# KiCad board IOT-Mess-Sens-Panelized.kicad_pcb (continued)
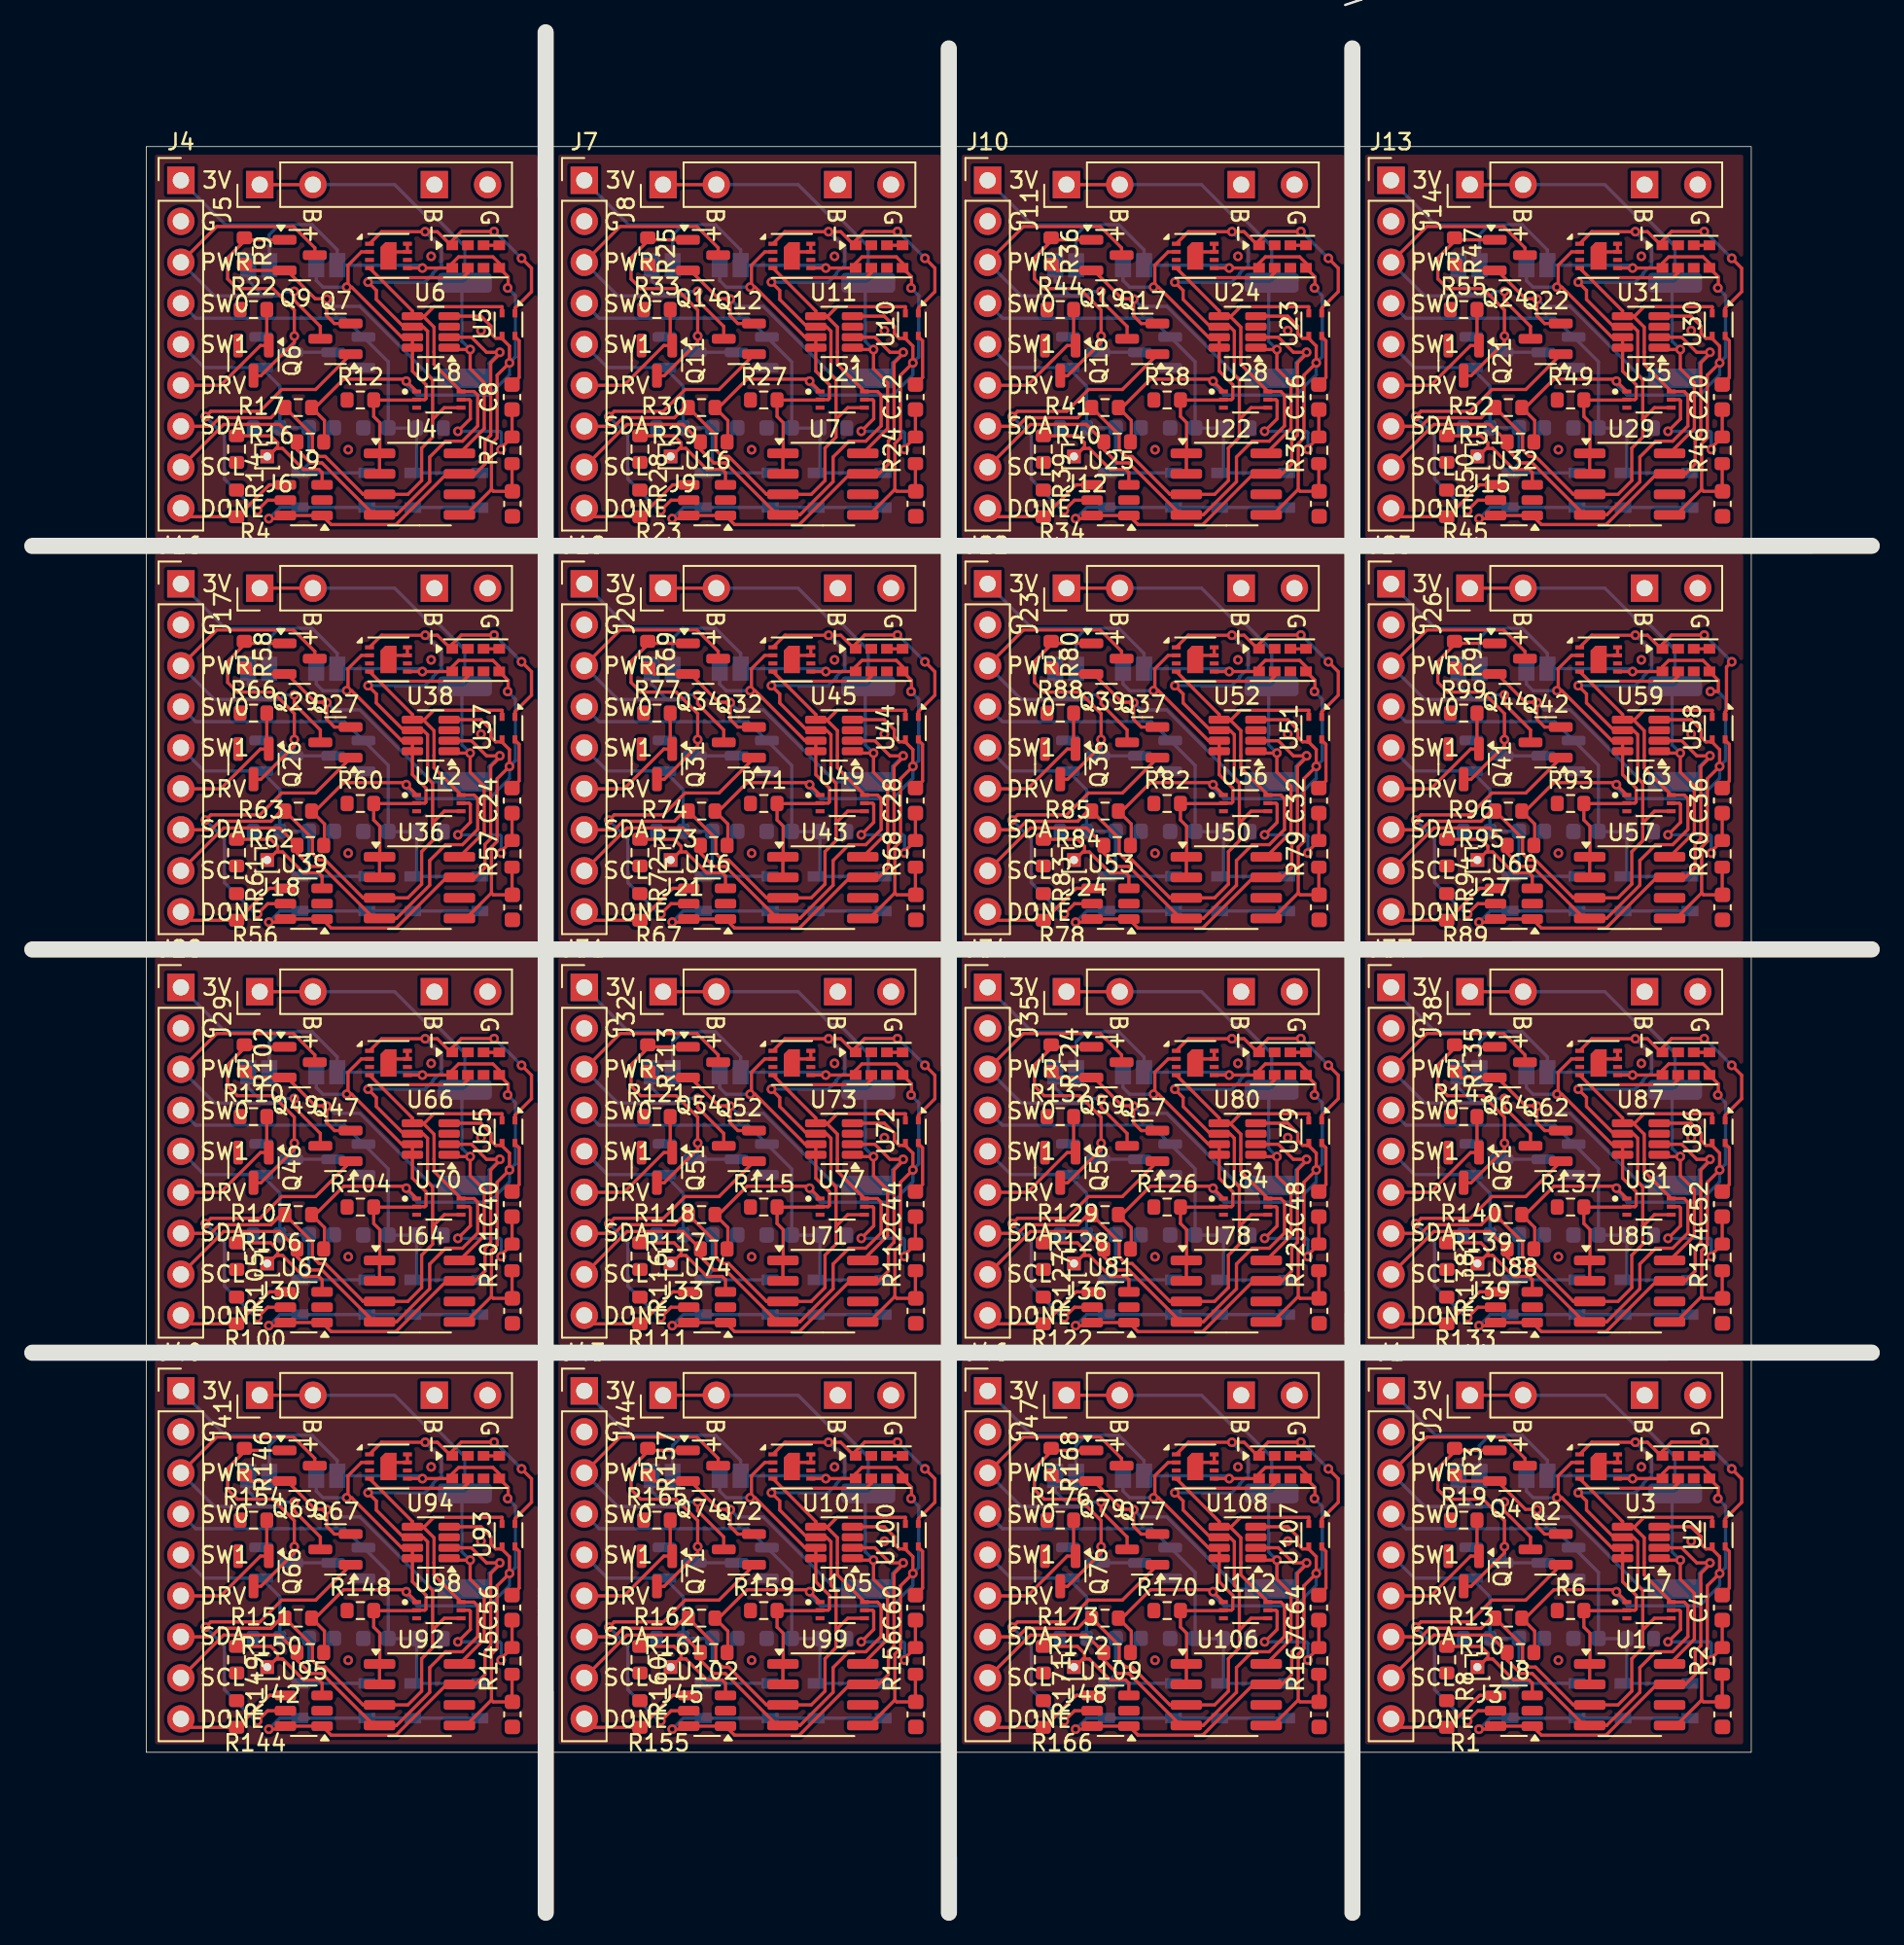
[diagram p0: board, top side]
## Routing (per net, layer and track width the routed paths; a pad name or vN(x,y) marks a point on that pad's centre or on a via; arc(x,y) is an arc through that point) (continued)
  Bottom w0.2: v1(28.62,54.16) 28.67,54.16 v1(30.32,52.5) ; v1(74.35,29.15) 75.36,28.14 75.36,27.04 75.21,26.9 75.15,26.9 74.83,26.58 74.83,26.52 74.34,26.02 v1(70.81,26.02) ; v1(20.81,76.02) 24.34,76.02 24.83,76.52 24.83,76.58 25.15,76.9 25.21,76.9 25.36,77.04 25.36,78.14 v1(24.35,79.15) ; v1(53.62,29.16) 53.67,29.16 v1(55.32,27.5) ; v1(53.62,54.16) 53.67,54.16 v1(55.32,52.5) ; v1(70.81,101.02) 74.34,101.02 74.83,101.52 74.83,101.58 75.15,101.9 75.21,101.9 75.36,102.04 75.36,103.14 v1(74.35,104.15) ; v1(103.62,104.16) 103.67,104.16 v1(105.32,102.5) ; v1(70.81,51.02) 74.34,51.02 74.83,51.52 74.83,51.58 75.15,51.9 75.21,51.9 75.36,52.04 75.36,53.14 v1(74.35,54.15) ; v1(103.62,79.16) 103.67,79.16 v1(105.32,77.5) ; v1(99.35,79.15) 100.36,78.14 100.36,77.04 100.21,76.9 100.15,76.9 99.83,76.58 99.83,76.52 99.34,76.02 v1(95.81,76.02) ; v1(78.62,79.16) 78.67,79.16 v1(80.32,77.5) ; v1(80.32,102.5) 78.67,104.16 v1(78.62,104.16) ; v1(105.32,52.5) 103.67,54.16 v1(103.62,54.16) ; v1(20.81,51.02) 24.34,51.02 24.83,51.52 24.83,51.58 25.15,51.9 25.21,51.9 25.36,52.04 25.36,53.14 v1(24.35,54.15) ; v1(105.32,27.5) 103.67,29.16 v1(103.62,29.16) ; v1(30.32,27.5) 28.67,29.16 v1(28.62,29.16) ; v1(49.35,79.15) 50.36,78.14 50.36,77.04 50.21,76.9 50.15,76.9 49.83,76.58 49.83,76.52 49.34,76.02 v1(45.81,76.02) ; v1(55.32,77.5) 53.67,79.16 v1(53.62,79.16) ; v1(49.35,104.15) 50.36,103.14 50.36,102.04 50.21,101.9 50.15,101.9 49.83,101.58 49.83,101.52 49.34,101.02 v1(45.81,101.02) ; v1(45.81,51.02) 49.34,51.02 49.83,51.52 49.83,51.58 50.15,51.9 50.21,51.9 50.36,52.04 50.36,53.14 v1(49.35,54.15) ; v1(49.35,29.15) 50.36,28.14 50.36,27.04 50.21,26.9 50.15,26.9 49.83,26.58 49.83,26.52 49.34,26.02 v1(45.81,26.02) ; v1(30.32,77.5) 28.67,79.16 v1(28.62,79.16) ; v1(53.62,104.16) 53.67,104.16 v1(55.32,102.5) ; v1(95.81,51.02) 99.34,51.02 99.83,51.52 99.83,51.58 100.15,51.9 100.21,51.9 100.36,52.04 100.36,53.14 v1(99.35,54.15) ; v1(95.81,101.02) 99.34,101.02 99.83,101.52 99.83,101.58 100.15,101.9 100.21,101.9 100.36,102.04 100.36,103.14 v1(99.35,104.15) ; v1(20.81,101.02) 24.34,101.02 24.83,101.52 24.83,101.58 25.15,101.9 25.21,101.9 25.36,102.04 25.36,103.14 v1(24.35,104.15) ; v1(95.81,26.02) 99.34,26.02 99.83,26.52 99.83,26.58 100.15,26.9 100.21,26.9 100.36,27.04 100.36,28.14 v1(99.35,29.15) ; v1(78.62,54.16) 78.67,54.16 v1(80.32,52.5) ; v1(20.81,26.02) 24.34,26.02 24.83,26.52 24.83,26.58 25.15,26.9 25.21,26.9 25.36,27.04 25.36,28.14 v1(24.35,29.15) ; v1(74.35,79.15) 75.36,78.14 75.36,77.04 75.21,76.9 75.15,76.9 74.83,76.58 74.83,76.52 74.34,76.02 v1(70.81,76.02) ; v1(80.32,27.5) 78.67,29.16 v1(78.62,29.16) ; v1(28.62,104.16) 28.67,104.16 v1(30.32,102.5)
Va: length 502.1
  Top w0.2: J20.1 J20.2 ; J5.1 J5.2 ; J26.1 J26.2 ; U11.1 50.95,96.84 v1(52.14,96.84) 52.14,95.66 53.01,94.79 53.01,91.95 U7.8 ; U73.1 50.95,46.84 v1(52.14,46.84) 52.14,45.66 53.01,44.79 53.01,41.95 U71.8 ; J47.1 J47.2 ; J41.1 J41.2 ; U108.1 75.95,21.84 v1(77.14,21.84) 77.14,20.66 78.01,19.79 78.01,16.95 U106.8 ; J11.1 J11.2 ; U38.1 25.95,71.84 v1(27.14,71.84) 27.14,70.66 28.01,69.79 28.01,66.95 U36.8 ; J23.1 J23.2 ; U87.1 100.95,46.84 v1(102.14,46.84) 102.14,45.66 103.01,44.79 103.01,41.95 U85.8 ; U24.1 75.95,96.84 v1(77.14,96.84) 77.14,95.66 78.01,94.79 78.01,91.95 U22.8 ; J38.1 J38.2 ; U101.1 50.95,21.84 v1(52.14,21.84) 52.14,20.66 53.01,19.79 53.01,16.95 U99.8 ; J44.1 J44.2 ; U52.1 75.95,71.84 v1(77.14,71.84) 77.14,70.66 78.01,69.79 78.01,66.95 U50.8 ; U45.1 50.95,71.84 v1(52.14,71.84) 52.14,70.66 53.01,69.79 53.01,66.95 U43.8 ; U94.1 25.95,21.84 v1(27.14,21.84) 27.14,20.66 28.01,19.79 28.01,16.95 U92.8 ; J35.1 J35.2 ; U80.1 75.95,46.84 v1(77.14,46.84) 77.14,45.66 78.01,44.79 78.01,41.95 U78.8 ; U57.8 103.01,66.95 103.01,69.79 102.14,70.66 v1(102.14,71.84) 100.95,71.84 U59.1 ; U1.8 103.01,16.95 103.01,19.79 102.14,20.66 v1(102.14,21.84) 100.95,21.84 U3.1 ; J29.1 J29.2 ; U6.1 25.95,96.84 v1(27.14,96.84) 27.14,95.66 28.01,94.79 28.01,91.95 U4.8 ; J8.1 J8.2 ; J32.1 J32.2 ; J14.1 J14.2 ; U31.1 100.95,96.84 v1(102.14,96.84) 102.14,95.66 103.01,94.79 103.01,91.95 U29.8 ; J2.1 J2.2 ; U66.1 25.95,46.84 v1(27.14,46.84) 27.14,45.66 28.01,44.79 28.01,41.95 U64.8 ; J17.1 J17.2
  Bottom w0.2: v1(77.14,46.84) 76.63,47.36 76.63,50.8 76.98,51.15 78.37,51.15 ; J5.2 22.46,107.06 24.51,105.01 25.02,105.01 26.81,103.22 R20.2 ; 103.37,51.15 101.98,51.15 101.63,50.8 101.63,47.36 v1(102.14,46.84) ; R31.2 51.81,103.22 50.02,105.01 49.51,105.01 47.46,107.06 J8.2 ; R15.2 101.81,28.22 100.02,30.01 99.51,30.01 97.46,32.06 J2.2 ; R86.2 76.81,78.22 75.02,80.01 74.51,80.01 72.46,82.06 J23.2 ; J35.2 72.46,57.06 74.51,55.01 75.02,55.01 76.81,53.22 R130.2 ; R119.2 51.81,53.22 50.02,55.01 49.51,55.01 47.46,57.06 J32.2 ; 103.37,101.15 101.98,101.15 101.63,100.8 101.63,97.36 v1(102.14,96.84) ; J17.2 22.46,82.06 24.51,80.01 25.02,80.01 26.81,78.22 R64.2 ; 28.37,101.15 26.98,101.15 26.63,100.8 26.63,97.36 v1(27.14,96.84) ; J26.2 97.46,82.06 99.51,80.01 100.02,80.01 101.81,78.22 R97.2 ; v1(102.14,71.84) 101.63,72.36 101.63,75.8 101.98,76.15 103.37,76.15 ; v1(27.14,46.84) 26.63,47.36 26.63,50.8 26.98,51.15 28.37,51.15 ; J41.2 22.46,32.06 24.51,30.01 25.02,30.01 26.81,28.22 R152.2 ; J29.2 22.46,57.06 24.51,55.01 25.02,55.01 26.81,53.22 R108.2 ; 78.37,76.15 76.98,76.15 76.63,75.8 76.63,72.36 v1(77.14,71.84) ; R53.2 101.81,103.22 100.02,105.01 99.51,105.01 97.46,107.06 J14.2 ; 28.37,76.15 26.98,76.15 26.63,75.8 26.63,72.36 v1(27.14,71.84) ; v1(52.14,46.84) 51.63,47.36 51.63,50.8 51.98,51.15 53.37,51.15 ; R141.2 101.81,53.22 100.02,55.01 99.51,55.01 97.46,57.06 J38.2 ; v1(52.14,21.84) 51.63,22.36 51.63,25.8 51.98,26.15 53.37,26.15 ; R42.2 76.81,103.22 75.02,105.01 74.51,105.01 72.46,107.06 J11.2 ; v1(77.14,96.84) 76.63,97.36 76.63,100.8 76.98,101.15 78.37,101.15 ; 53.37,76.15 51.98,76.15 51.63,75.8 51.63,72.36 v1(52.14,71.84) ; v1(52.14,96.84) 51.63,97.36 51.63,100.8 51.98,101.15 53.37,101.15 ; J47.2 72.46,32.06 74.51,30.01 75.02,30.01 76.81,28.22 R174.2 ; v1(27.14,21.84) 26.63,22.36 26.63,25.8 26.98,26.15 28.37,26.15 ; R75.2 51.81,78.22 50.02,80.01 49.51,80.01 47.46,82.06 J20.2 ; J44.2 47.46,32.06 49.51,30.01 50.02,30.01 51.81,28.22 R163.2 ; v1(77.14,21.84) 76.63,22.36 76.63,25.8 76.98,26.15 78.37,26.15 ; 103.37,26.15 101.98,26.15 101.63,25.8 101.63,22.36 v1(102.14,21.84)
Vb: length 986.7
  Top w0.2: v1(39.66,11.37) 40.5,11.37 U102.6 U102.1 43.52,11 47.54,11 50.68,14.14 U99.7 52.45,14.14 53.06,14.75 53.06,16.19 53.41,16.54 53.41,21.02 53.97,21.58 v1(53.97,21.67) 53.16,21.67 52.22,22.61 U101.2 ; v1(89.66,11.37) 90.5,11.37 U8.6 U8.1 93.52,11 97.54,11 100.68,14.14 U1.7 102.45,14.14 103.06,14.75 103.06,16.19 103.41,16.54 103.41,21.02 103.97,21.58 v1(103.97,21.67) 103.16,21.67 102.22,22.61 U3.2 ; 65.81,76.72 67.54,74.99 68.24,74.99 v1(68.26,74.97) ; v1(39.66,86.37) 40.5,86.37 U16.6 U16.1 43.52,86 47.54,86 50.68,89.14 U7.7 52.45,89.14 53.06,89.75 53.06,91.19 53.41,91.54 53.41,96.02 53.97,96.58 v1(53.97,96.67) 53.16,96.67 52.22,97.61 U11.2 ; 93.25,99.96 93.25,98.93 93.73,98.46 Q22.2 ; 18.25,49.96 18.25,48.93 18.73,48.46 Q47.2 ; 65.81,26.72 67.54,24.99 68.24,24.99 v1(68.26,24.97) ; U6.2 27.22,97.61 28.16,96.67 v1(28.97,96.67) 28.97,96.58 28.41,96.02 28.41,91.54 28.06,91.19 28.06,89.75 27.45,89.14 U4.7 25.68,89.14 22.54,86 18.52,86 U9.1 U9.6 15.5,86.37 v1(14.66,86.37) ; 43.25,74.96 43.25,73.93 43.73,73.46 Q32.2 ; U52.2 77.22,72.61 78.16,71.67 v1(78.97,71.67) 78.97,71.58 78.41,71.02 78.41,66.54 78.06,66.19 78.06,64.75 77.45,64.14 U50.7 75.68,64.14 72.54,61 68.52,61 U53.1 U53.6 65.5,61.37 v1(64.66,61.37) ; Q59.2 63.52,51.74 R124.1 ; U59.2 102.22,72.61 103.16,71.67 v1(103.97,71.67) 103.97,71.58 103.41,71.02 103.41,66.54 103.06,66.19 103.06,64.75 102.45,64.14 U57.7 100.68,64.14 97.54,61 93.52,61 U60.1 U60.6 90.5,61.37 v1(89.66,61.37) ; v1(64.66,86.37) 65.5,86.37 U25.6 U25.1 68.52,86 72.54,86 75.68,89.14 U22.7 77.45,89.14 78.06,89.75 78.06,91.19 78.41,91.54 78.41,96.02 78.97,96.58 v1(78.97,96.67) 78.16,96.67 77.22,97.61 U24.2 ; Q57.2 68.73,48.46 68.25,48.93 68.25,49.96 ; 90.81,101.72 92.54,99.99 93.24,99.99 v1(93.26,99.97) ; Q2.2 93.73,23.46 93.25,23.93 93.25,24.96 ; Q54.2 38.52,51.74 R113.1 ; Q37.2 68.73,73.46 68.25,73.93 68.25,74.96 ; v1(39.66,36.37) 40.5,36.37 U74.6 U74.1 43.52,36 47.54,36 50.68,39.14 U71.7 52.45,39.14 53.06,39.75 53.06,41.19 53.41,41.54 53.41,46.02 53.97,46.58 v1(53.97,46.67) 53.16,46.67 52.22,47.61 U73.2 ; R58.1 13.52,76.74 Q29.2 ; v1(43.26,99.97) 43.24,99.99 42.54,99.99 40.81,101.72 ; v1(93.26,24.97) 93.24,24.99 92.54,24.99 90.81,26.72 ; R135.1 88.52,51.74 Q64.2 ; Q39.2 63.52,76.74 R80.1 ; R157.1 38.52,26.74 Q74.2 ; R168.1 63.52,26.74 Q79.2 ; v1(89.66,86.37) 90.5,86.37 U32.6 U32.1 93.52,86 97.54,86 100.68,89.14 U29.7 102.45,89.14 103.06,89.75 103.06,91.19 103.41,91.54 103.41,96.02 103.97,96.58 v1(103.97,96.67) 103.16,96.67 102.22,97.61 U31.2 ; v1(14.66,61.37) 15.5,61.37 U39.6 U39.1 18.52,61 22.54,61 25.68,64.14 U36.7 27.45,64.14 28.06,64.75 28.06,66.19 28.41,66.54 28.41,71.02 28.97,71.58 v1(28.97,71.67) 28.16,71.67 27.22,72.61 U38.2 ; R25.1 38.52,101.74 Q14.2 ; v1(18.26,99.97) 18.24,99.99 17.54,99.99 15.81,101.72 ; 15.81,51.72 17.54,49.99 18.24,49.99 v1(18.26,49.97) ; Q34.2 38.52,76.74 R69.1 ; R3.1 88.52,26.74 Q4.2 ; 65.81,51.72 67.54,49.99 68.24,49.99 v1(68.26,49.97) ; Q44.2 88.52,76.74 R91.1 ; Q69.2 13.52,26.74 R146.1 ; 40.81,76.72 42.54,74.99 43.24,74.99 v1(43.26,74.97) ; Q49.2 13.52,51.74 R102.1 ; 65.81,101.72 67.54,99.99 68.24,99.99 v1(68.26,99.97) ; Q72.2 43.73,23.46 43.25,23.93 43.25,24.96 ; 18.25,74.96 18.25,73.93 18.73,73.46 Q27.2 ; 68.25,99.96 68.25,98.93 68.73,98.46 Q17.2 ; 93.25,74.96 93.25,73.93 93.73,73.46 Q42.2 ; 90.81,51.72 92.54,49.99 93.24,49.99 v1(93.26,49.97) ; v1(43.26,24.97) 43.24,24.99 42.54,24.99 40.81,26.72 ; Q12.2 43.73,98.46 43.25,98.93 43.25,99.96 ; v1(14.66,11.37) 15.5,11.37 U95.6 U95.1 18.52,11 22.54,11 25.68,14.14 U92.7 27.45,14.14 28.06,14.75 28.06,16.19 28.41,16.54 28.41,21.02 28.97,21.58 v1(28.97,21.67) 28.16,21.67 27.22,22.61 U94.2 ; Q52.2 43.73,48.46 43.25,48.93 43.25,49.96 ; Q9.2 13.52,101.74 R9.1 ; v1(43.26,49.97) 43.24,49.99 42.54,49.99 40.81,51.72 ; Q7.2 18.73,98.46 18.25,98.93 18.25,99.96 ; v1(93.26,74.97) 93.24,74.99 92.54,74.99 90.81,76.72 ; U80.2 77.22,47.61 78.16,46.67 v1(78.97,46.67) 78.97,46.58 78.41,46.02 78.41,41.54 78.06,41.19 78.06,39.75 77.45,39.14 U78.7 75.68,39.14 72.54,36 68.52,36 U81.1 U81.6 65.5,36.37 v1(64.66,36.37) ; v1(18.26,24.97) 18.24,24.99 17.54,24.99 15.81,26.72 ; v1(39.66,61.37) 40.5,61.37 U46.6 U46.1 43.52,61 47.54,61 50.68,64.14 U43.7 52.45,64.14 53.06,64.75 53.06,66.19 53.41,66.54 53.41,71.02 53.97,71.58 v1(53.97,71.67) 53.16,71.67 52.22,72.61 U45.2 ; U87.2 102.22,47.61 103.16,46.67 v1(103.97,46.67) 103.97,46.58 103.41,46.02 103.41,41.54 103.06,41.19 103.06,39.75 102.45,39.14 U85.7 100.68,39.14 97.54,36 93.52,36 U88.1 U88.6 90.5,36.37 v1(89.66,36.37) ; 68.25,24.96 68.25,23.93 68.73,23.46 Q77.2 ; U108.2 77.22,22.61 78.16,21.67 v1(78.97,21.67) 78.97,21.58 78.41,21.02 78.41,16.54 78.06,16.19 78.06,14.75 77.45,14.14 U106.7 75.68,14.14 72.54,11 68.52,11 U109.1 U109.6 65.5,11.37 v1(64.66,11.37) ; v1(14.66,36.37) 15.5,36.37 U67.6 U67.1 18.52,36 22.54,36 25.68,39.14 U64.7 27.45,39.14 28.06,39.75 28.06,41.19 28.41,41.54 28.41,46.02 28.97,46.58 v1(28.97,46.67) 28.16,46.67 27.22,47.61 U66.2 ; R36.1 63.52,101.74 Q19.2 ; Q67.2 18.73,23.46 18.25,23.93 18.25,24.96 ; Q62.2 93.73,48.46 93.25,48.93 93.25,49.96 ; Q24.2 88.52,101.74 R47.1 ; 15.81,76.72 17.54,74.99 18.24,74.99 v1(18.26,74.97)
  Bottom w0.2: v1(89.66,36.37) 90.35,37.06 SW27.1 SW27.1 102.73,37.06 ; v1(14.66,36.37) 15.35,37.06 SW21.1 SW21.1 27.73,37.06 ; v1(39.66,61.37) 40.35,62.06 SW15.1 SW15.1 52.73,62.06 ; v1(64.66,86.37) 65.35,87.06 SW9.1 SW9.1 77.73,87.06 ; v1(93.26,74.97) 93.71,74.52 95.31,74.52 99.77,70.06 R97.1 102.85,70.06 103.31,70.52 103.31,71.01 v1(103.97,71.67) ; v1(43.26,49.97) 43.71,49.52 45.31,49.52 49.77,45.06 R119.1 52.85,45.06 53.31,45.52 53.31,46.01 v1(53.97,46.67) ; v1(64.66,61.37) 65.35,62.06 SW17.1 SW17.1 77.73,62.06 ; 102.73,62.06 SW19.1 SW19.1 90.35,62.06 v1(89.66,61.37) ; v1(18.26,99.97) 18.71,99.52 20.31,99.52 24.77,95.06 R20.1 27.85,95.06 28.31,95.52 28.31,96.01 v1(28.97,96.67) ; v1(53.97,21.67) 53.31,21.01 53.31,20.52 52.85,20.06 R163.1 49.77,20.06 45.31,24.52 43.71,24.52 v1(43.26,24.97) ; v1(68.26,99.97) 68.71,99.52 70.31,99.52 74.77,95.06 R42.1 77.85,95.06 78.31,95.52 78.31,96.01 v1(78.97,96.67) ; v1(39.66,11.37) 40.35,12.06 SW31.1 SW31.1 52.73,12.06 ; 27.73,87.06 SW5.1 SW5.1 15.35,87.06 v1(14.66,86.37) ; 77.73,37.06 SW25.1 SW25.1 65.35,37.06 v1(64.66,36.37) ; v1(68.26,24.97) 68.71,24.52 70.31,24.52 74.77,20.06 R174.1 77.85,20.06 78.31,20.52 78.31,21.01 v1(78.97,21.67) ; v1(18.26,24.97) 18.71,24.52 20.31,24.52 24.77,20.06 R152.1 27.85,20.06 28.31,20.52 28.31,21.01 v1(28.97,21.67) ; v1(68.26,49.97) 68.71,49.52 70.31,49.52 74.77,45.06 R130.1 77.85,45.06 78.31,45.52 78.31,46.01 v1(78.97,46.67) ; v1(28.97,71.67) 28.31,71.01 28.31,70.52 27.85,70.06 R64.1 24.77,70.06 20.31,74.52 18.71,74.52 v1(18.26,74.97) ; 52.73,87.06 SW7.1 SW7.1 40.35,87.06 v1(39.66,86.37) ; v1(93.26,24.97) 93.71,24.52 95.31,24.52 99.77,20.06 R15.1 102.85,20.06 103.31,20.52 103.31,21.01 v1(103.97,21.67) ; v1(14.66,11.37) 15.35,12.06 SW29.1 SW29.1 27.73,12.06 ; v1(43.26,74.97) 43.71,74.52 45.31,74.52 49.77,70.06 R75.1 52.85,70.06 53.31,70.52 53.31,71.01 v1(53.97,71.67) ; v1(89.66,11.37) 90.35,12.06 SW3.1 SW3.1 102.73,12.06 ; v1(39.66,36.37) 40.35,37.06 SW23.1 SW23.1 52.73,37.06 ; v1(28.97,46.67) 28.31,46.01 28.31,45.52 27.85,45.06 R108.1 24.77,45.06 20.31,49.52 18.71,49.52 v1(18.26,49.97) ; v1(78.97,71.67) 78.31,71.01 78.31,70.52 77.85,70.06 R86.1 74.77,70.06 70.31,74.52 68.71,74.52 v1(68.26,74.97) ; v1(64.66,11.37) 65.35,12.06 SW33.1 SW33.1 77.73,12.06 ; v1(103.97,46.67) 103.31,46.01 103.31,45.52 102.85,45.06 R141.1 99.77,45.06 95.31,49.52 93.71,49.52 v1(93.26,49.97) ; 102.73,87.06 SW11.1 SW11.1 90.35,87.06 v1(89.66,86.37) ; 27.73,62.06 SW13.1 SW13.1 15.35,62.06 v1(14.66,61.37) ; v1(93.26,99.97) 93.71,99.52 95.31,99.52 99.77,95.06 R53.1 102.85,95.06 103.31,95.52 103.31,96.01 v1(103.97,96.67) ; v1(53.97,96.67) 53.31,96.01 53.31,95.52 52.85,95.06 R31.1 49.77,95.06 45.31,99.52 43.71,99.52 v1(43.26,99.97)
Net-(J3-Pin_1): length 131.9
  Top w0.2: 15.21,15.72 15.11,15.72 14.41,15.02 ; 15.21,15.72 15.51,15.72 16.81,14.42 17.76,14.42 17.96,14.22 U95.3 ; 15.21,15.72 15.21,16.07 14.78,16.5 12.72,16.5 ; 90.21,40.72 90.21,41.07 89.78,41.5 87.72,41.5 ; 90.21,40.72 90.11,40.72 89.41,40.02 ; 90.21,40.72 90.51,40.72 91.81,39.42 92.76,39.42 92.96,39.22 U88.3 ; 40.21,65.72 40.21,66.07 39.78,66.5 37.72,66.5 ; 40.21,65.72 40.11,65.72 39.41,65.02 ; 40.21,65.72 40.51,65.72 41.81,64.42 42.76,64.42 42.96,64.22 U46.3 ; 87.72,66.5 89.78,66.5 90.21,66.07 90.21,65.72 ; 65.21,65.72 65.51,65.72 66.81,64.42 67.76,64.42 67.96,64.22 U53.3 ; 65.21,65.72 65.11,65.72 64.41,65.02 ; 65.21,65.72 65.21,66.07 64.78,66.5 62.72,66.5 ; U39.3 17.96,64.22 17.76,64.42 16.81,64.42 15.51,65.72 15.21,65.72 ; 37.72,16.5 39.78,16.5 40.21,16.07 40.21,15.72 ; 65.21,90.72 65.21,91.07 64.78,91.5 62.72,91.5 ; 65.21,90.72 65.51,90.72 66.81,89.42 67.76,89.42 67.96,89.22 U25.3 ; 65.21,90.72 65.11,90.72 64.41,90.02 ; 65.21,40.72 65.11,40.72 64.41,40.02 ; 65.21,40.72 65.21,41.07 64.78,41.5 62.72,41.5 ; 65.21,40.72 65.51,40.72 66.81,39.42 67.76,39.42 67.96,39.22 U81.3 ; U32.3 92.96,89.22 92.76,89.42 91.81,89.42 90.51,90.72 90.21,90.72 ; U60.3 92.96,64.22 92.76,64.42 91.81,64.42 90.51,65.72 90.21,65.72 ; 90.21,15.72 90.11,15.72 89.41,15.02 ; 90.21,15.72 90.21,16.07 89.78,16.5 87.72,16.5 ; 90.21,15.72 90.51,15.72 91.81,14.42 92.76,14.42 92.96,14.22 U8.3 ; 90.21,65.72 90.11,65.72 89.41,65.02 ; 15.21,90.72 15.21,91.07 14.78,91.5 12.72,91.5 ; 15.21,90.72 15.51,90.72 16.81,89.42 17.76,89.42 17.96,89.22 U9.3 ; 15.21,90.72 15.11,90.72 14.41,90.02 ; 90.21,90.72 90.21,91.07 89.78,91.5 87.72,91.5 ; 90.21,90.72 90.11,90.72 89.41,90.02 ; 65.21,15.72 65.21,16.07 64.78,16.5 62.72,16.5 ; 65.21,15.72 65.51,15.72 66.81,14.42 67.76,14.42 67.96,14.22 U109.3 ; 65.21,15.72 65.11,15.72 64.41,15.02 ; 39.41,15.02 40.11,15.72 40.21,15.72 ; 40.21,15.72 40.51,15.72 41.81,14.42 42.76,14.42 42.96,14.22 U102.3 ; 15.21,65.72 15.11,65.72 14.41,65.02 ; 15.21,65.72 15.21,66.07 14.78,66.5 12.72,66.5 ; 39.41,40.02 40.11,40.72 40.21,40.72 ; 15.21,40.72 15.11,40.72 14.41,40.02 ; 15.21,40.72 15.21,41.07 14.78,41.5 12.72,41.5 ; 15.21,40.72 15.51,40.72 16.81,39.42 17.76,39.42 17.96,39.22 U67.3 ; U74.3 42.96,39.22 42.76,39.42 41.81,39.42 40.51,40.72 40.21,40.72 ; 39.41,90.02 40.11,90.72 40.21,90.72 ; 40.21,40.72 40.21,41.07 39.78,41.5 37.72,41.5 ; 40.21,90.72 40.51,90.72 41.81,89.42 42.76,89.42 42.96,89.22 U16.3 ; 40.21,90.72 40.21,91.07 39.78,91.5 37.72,91.5
Net-(Q1-D): length 312.3
  Top w0.2: Q6.3 14.16,95.22 16.24,97.3 v1(16.24,97.68) 16.24,99.29 14.91,100.62 12.71,100.62 12.11,101.22 12.11,102.53 13.15,103.57 R9.2 ; Q14.1 38.06,103.64 ; Q51.3 39.16,45.22 41.24,47.3 v1(41.24,47.68) 41.24,49.29 39.91,50.62 37.71,50.62 37.11,51.22 37.11,52.53 38.15,53.57 R113.2 ; Q19.1 63.06,103.64 ; Q79.1 63.06,28.64 ; R91.2 88.15,78.57 87.11,77.53 87.11,76.22 87.71,75.62 89.91,75.62 91.24,74.29 v1(91.24,72.68) 91.24,72.3 89.16,70.22 Q41.3 ; R36.2 63.15,103.57 62.11,102.53 62.11,101.22 62.71,100.62 64.91,100.62 66.24,99.29 v1(66.24,97.68) 66.24,97.3 64.16,95.22 Q16.3 ; Q71.3 39.16,20.22 41.24,22.3 v1(41.24,22.68) 41.24,24.29 39.91,25.62 37.71,25.62 37.11,26.22 37.11,27.53 38.15,28.57 R157.2 ; R69.2 38.15,78.57 37.11,77.53 37.11,76.22 37.71,75.62 39.91,75.62 41.24,74.29 v1(41.24,72.68) 41.24,72.3 39.16,70.22 Q31.3 ; Q74.1 38.06,28.64 ; Q36.3 64.16,70.22 66.24,72.3 v1(66.24,72.68) 66.24,74.29 64.91,75.62 62.71,75.62 62.11,76.22 62.11,77.53 63.15,78.57 R80.2 ; Q11.3 39.16,95.22 41.24,97.3 v1(41.24,97.68) 41.24,99.29 39.91,100.62 37.71,100.62 37.11,101.22 37.11,102.53 38.15,103.57 R25.2 ; Q59.1 63.06,53.64 ; Q69.1 13.06,28.64 ; R3.2 88.15,28.57 87.11,27.53 87.11,26.22 87.71,25.62 89.91,25.62 91.24,24.29 v1(91.24,22.68) 91.24,22.3 89.16,20.22 Q1.3 ; Q21.3 89.16,95.22 91.24,97.3 v1(91.24,97.68) 91.24,99.29 89.91,100.62 87.71,100.62 87.11,101.22 87.11,102.53 88.15,103.57 R47.2 ; R102.2 13.15,53.57 12.11,52.53 12.11,51.22 12.71,50.62 14.91,50.62 16.24,49.29 v1(16.24,47.68) 16.24,47.3 14.16,45.22 Q46.3 ; R168.2 63.15,28.57 62.11,27.53 62.11,26.22 62.71,25.62 64.91,25.62 66.24,24.29 v1(66.24,22.68) 66.24,22.3 64.16,20.22 Q76.3 ; Q54.1 38.06,53.64 ; Q44.1 88.06,78.64 ; R135.2 88.15,53.57 87.11,52.53 87.11,51.22 87.71,50.62 89.91,50.62 91.24,49.29 v1(91.24,47.68) 91.24,47.3 89.16,45.22 Q61.3 ; Q29.1 13.06,78.64 ; Q66.3 14.16,20.22 16.24,22.3 v1(16.24,22.68) 16.24,24.29 14.91,25.62 12.71,25.62 12.11,26.22 12.11,27.53 13.15,28.57 R146.2 ; Q24.1 88.06,103.64 ; Q64.1 88.06,53.64 ; Q26.3 14.16,70.22 16.24,72.3 v1(16.24,72.68) 16.24,74.29 14.91,75.62 12.71,75.62 12.11,76.22 12.11,77.53 13.15,78.57 R58.2 ; Q39.1 63.06,78.64 ; Q9.1 13.06,103.64 ; Q56.3 64.16,45.22 66.24,47.3 v1(66.24,47.68) 66.24,49.29 64.91,50.62 62.71,50.62 62.11,51.22 62.11,52.53 63.15,53.57 R124.2 ; Q4.1 88.06,28.64 ; Q34.1 38.06,78.64 ; Q49.1 13.06,53.64
  Bottom w0.2: 43.64,46.68 Q53.3 41.24,46.86 v1(41.24,47.68) ; 43.64,96.68 Q13.3 41.24,96.86 v1(41.24,97.68) ; 43.64,71.68 Q33.3 41.24,71.86 v1(41.24,72.68) ; 18.64,46.68 Q48.3 16.24,46.86 v1(16.24,47.68) ; v1(41.24,22.68) 41.24,21.86 Q73.3 43.64,21.68 ; v1(66.24,97.68) 66.24,96.86 Q18.3 68.64,96.68 ; 68.64,71.68 Q38.3 66.24,71.86 v1(66.24,72.68) ; 18.64,21.68 Q68.3 16.24,21.86 v1(16.24,22.68) ; 93.64,71.68 Q43.3 91.24,71.86 v1(91.24,72.68) ; 18.64,96.68 Q8.3 16.24,96.86 v1(16.24,97.68) ; 93.64,21.68 Q3.3 91.24,21.86 v1(91.24,22.68) ; v1(66.24,22.68) 66.24,21.86 Q78.3 68.64,21.68 ; 18.64,71.68 Q28.3 16.24,71.86 v1(16.24,72.68) ; 93.64,46.68 Q63.3 91.24,46.86 v1(91.24,47.68) ; 93.64,96.68 Q23.3 91.24,96.86 v1(91.24,97.68) ; 68.64,46.68 Q58.3 66.24,46.86 v1(66.24,47.68)
